# Allegro board AX7021-2019-04-01.brd (continued)
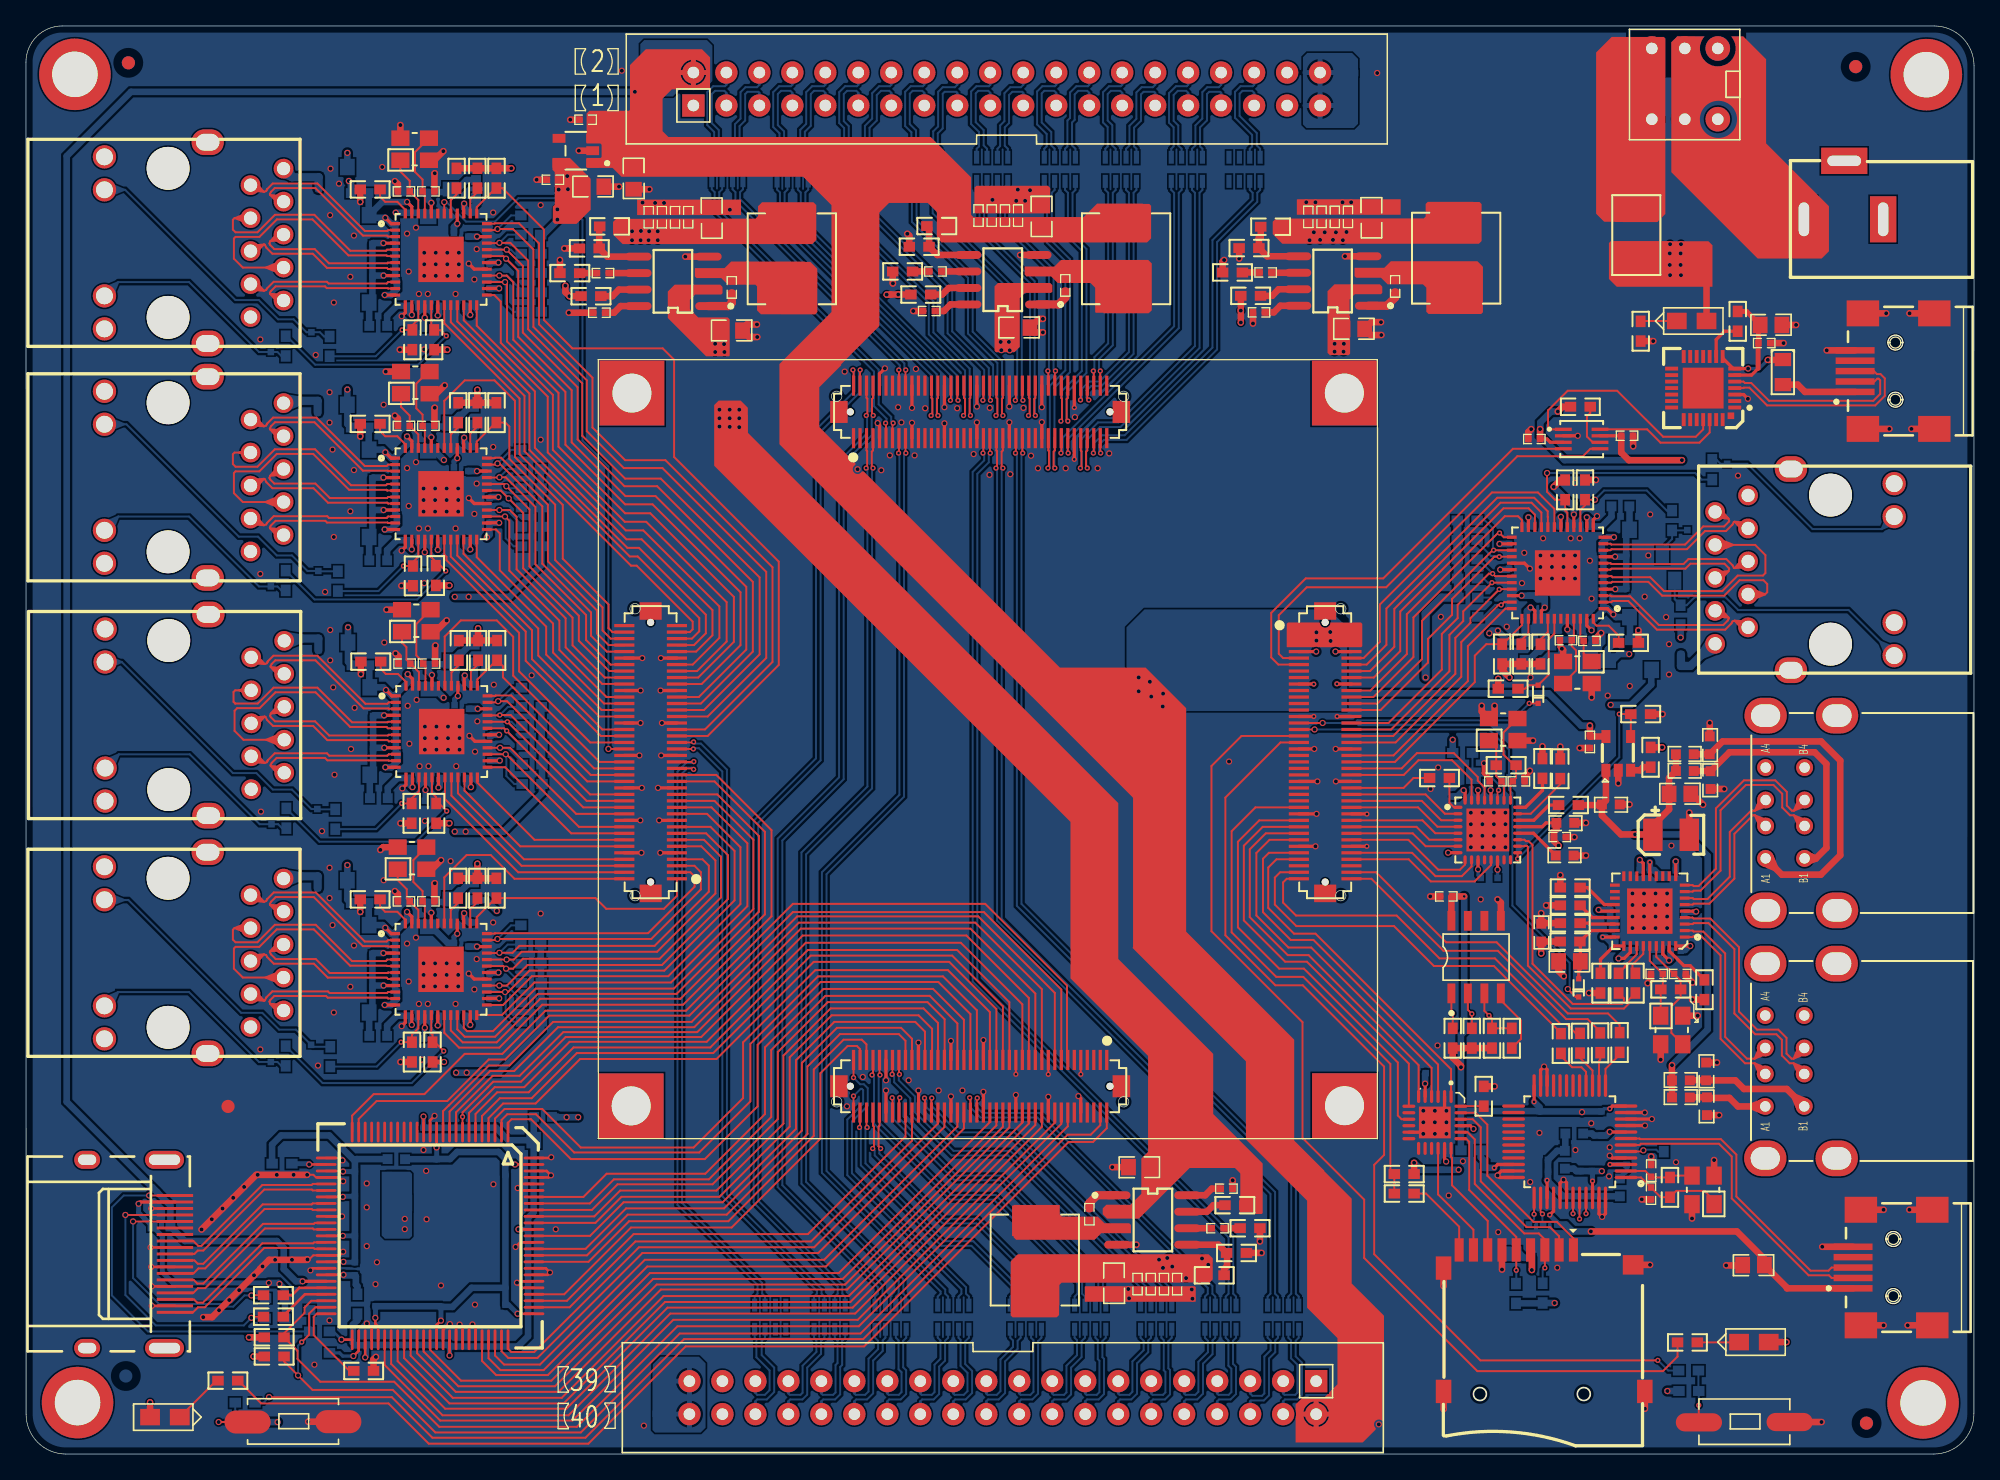
[diagram p0: board, top side]
## Routing (per net, layer and track width the routed paths; a pad name or vN(x,y) marks a point on that pad's centre or on a via; arc(x,y) is an arc through that point) (continued)
OTG_DIR: length 11.9
  TOP w0.152: U7.31 111.32,51.94 109.81,53.44 107.23,53.44 106.1,52.31 CON1.48
OTG_ID: length 4.7
  TOP w0.152: U7.23 115.88,49.32 118.15,51.59 R162.1
OTG_NXT: length 8.8
  TOP w0.152: U7.2 109.27,49.32 107.77,50.81 CON1.54
OTG_RESET: length 38.4
  TOP w0.152: D3.1 119.34,35.21 v1(118.73,35.81) ; CON1.33 v1(99.23,55.81)
  BOTTOM w0.152: v1(118.73,35.81) 118.87,35.95 118.87,37.83 114.46,42.24 114.46,50.9 114.2,51.16 D2.1 114.2,54.27 112.65,55.81 v1(99.23,55.81)
OTG_STP: length 13
  TOP w0.152: CON1.46 105.93,52.81 107.11,53.99 109.95,53.99 111.8,52.15 111.8,51.87 112.32,51.35 U7.29
PHY1_125M_CLK: length 2.2
  TOP w0.152: U6.41 117.19,63.31 116.62,62.74 R29.1
PHY1_AD0/LED1: length 18.2
  TOP w0.152: v1(117.13,75.56) 117.13,74.12 117.74,73.51 R27.1 118.52,72.67 118.69,72.5 U6.17
  BOTTOM w0.152: v1(117.13,75.56) 128.53,75.56 129.04,75.06 R21.1
PHY1_AD1/LED2: length 9.9
  TOP w0.152: v1(120.81,73.51) R35.2 120.05,73.08 119.69,72.72 U6.15
  BOTTOM w0.152: v1(120.81,73.51) 121.52,74.22 124.8,74.22 126.35,72.67 R22.1
PHY1_AVDDH: length 15.1
  TOP w0.254: v1(120.56,63.45) 120.19,63.81 U6.47 ; U6.1 121.78,65.12 v1(122.23,64.67) ; U6.12 v1(122.28,70.62)
  BOTTOM w0.508: C32.1 121.47,69.47 C33.1 121.35,70.15 121.81,70.62 v1(122.28,70.62) ; C32.1 121.75,65.15 v1(122.23,64.67) 122.44,64.47 C31.1 123.52,64.43 L4.2 ; C32.1 121.47,65 120.56,64.08 v1(120.56,63.45)
PHY1_AVDDL: length 10
  TOP w0.254: U6.9 v1(122.37,69.12) ; U6.4 v1(122.38,66.62)
  BOTTOM w0.508: C45.1 123.13,69.12 v1(122.37,69.12) ; C45.1 123.23,70.94 C43.1 123.48,72.99 L6.2 ; C45.1 C44.1 123.17,66.62 v1(122.38,66.62)
PHY1_AVDDL_PLL: length 6.9
  TOP w0.254: U6.44 v1(118.69,63.52)
  BOTTOM w0.508: v1(118.69,63.52) 118.98,63.23 C41.1 ; C42.1 C41.1 ; C41.1 118.93,62.74 117.48,62.74 C40.1 116.55,61.8 116.37,61.8 115.75,61.18 L5.2
PHY1_MDC: length 18.6
  TOP w0.152: U6.36 113.92,65.12 111.03,62.23 111.03,59.54 105.31,53.81 CON1.42
PHY1_MDI0_N: length 12.1
  TOP w0.152: J4.P3 131.1,64.43 131.12,64.36 131.04,64.19 130.7,63.86 125.74,63.86 123.53,66.07 122.07,66.07 122.02,66.12 U6.3
PHY1_MDI0_P: length 12.5
  TOP w0.152: J4.P2 131.58,64.19 131.41,64.14 131.33,63.98 130.85,63.5 125.59,63.5 123.38,65.71 122.17,65.71 122.08,65.62 U6.2
PHY1_MDI1_N: length 19.1
  TOP w0.152: J4.P7 133.16,70.03 133.94,69.24 133.94,67.86 133.75,67.67 131.82,67.67 130.62,66.47 126.14,66.47 125.07,67.54 122.17,67.54 122.09,67.62 U6.6
PHY1_MDI1_P: length 15.9
  TOP w0.152: J4.P4 133.92,66.22 134.08,66.38 134.08,67.02 133.79,67.31 131.96,67.31 130.77,66.12 125.99,66.12 124.93,67.18 122.15,67.18 122.09,67.12 U6.5
PHY1_MDI2_N: length 11.8
  TOP w0.152: U6.8 122.02,68.62 122.08,68.55 127.64,68.55 128.02,68.94 130.94,68.94 131.41,68.46 131.51,68.26 131.58,68.24 J4.P6
PHY1_MDI2_P: length 11.4
  TOP w0.152: U6.7 122.02,68.12 122.1,68.2 127.79,68.2 128.17,68.58 130.79,68.58 131.12,68.25 131.16,68.17 131.1,68 J4.P5
PHY1_MDI3_N: length 11.8
  TOP w0.152: J4.P9 131.1,72.05 131.16,71.88 131.12,71.81 130.76,71.45 129.15,71.45 127.76,70.05 122.08,70.05 122.02,70.12 U6.11
PHY1_MDI3_P: length 12.2
  TOP w0.152: U6.10 122.02,69.62 122.1,69.7 127.91,69.7 129.3,71.09 130.91,71.09 131.41,71.6 131.51,71.79 131.58,71.81 J4.P8
PHY1_MDIO: length 19.2
  TOP w0.152: U6.37 115.19,63.85 113.73,62.38 R24.1 112.46,62.38 111.57,61.49 111.57,59.46 105.42,53.31 CON1.44
PHY1_RESET: length 19.1
  TOP w0.152: D1.1 v2(115.76,57.82) ; CON1.31 v1(99.85,56.31)
  BOTTOM w0.152: v2(115.76,57.82) 114.45,56.52 102.52,56.52 102.32,56.31 v1(99.85,56.31)
PHY1_RXCK: length 20.6
  TOP w0.152: U6.35 113.84,65.62 113.62,65.41 v2(113.6,65.41) 113.39,65.41 110.53,62.54 110.53,59.87 105.47,54.81 CON1.38
  BOTTOM w0.152: v2(113.6,65.41) 113.14,65.41 112.22,64.49 R34.2
PHY1_RXCTL: length 20.8
  TOP w0.152: U6.33 113.52,66.62 113.5,66.6 v2(113.45,66.6) 111.24,64.39 111.24,64.03 110.07,62.86 110.07,60.1 105.28,55.31 CON1.36
  BOTTOM w0.152: R28.1 112.81,65.97 v2(113.45,66.6)
PHY1_RXD0: length 20.4
  TOP w0.152: CON1.34 105.12,55.81 109.61,60.3 109.61,63.09 110.68,64.16 110.68,64.91 v2(112.89,67.12) U6.32
  BOTTOM w0.152: R33.1 112.25,67.44 112.57,67.12 v2(112.89,67.12)
PHY1_RXD1: length 21
  TOP w0.152: CON1.32 104.92,56.31 109.03,60.42 109.03,63.17 110.25,64.39 110.25,65.41 112.66,67.82 v2(112.94,67.82) 113.14,67.62 U6.31
  BOTTOM w0.152: R32.1 111.84,68.91 v2(112.94,67.82)
PHY1_RXD2: length 21.4
  TOP w0.152: U6.28 v2(113.45,69.12) 113.07,69.12 109.81,65.86 109.81,64.64 107.96,62.79 107.96,60.96 104.31,57.31 CON1.28
  BOTTOM w0.152: R31.1 111.74,70.26 112.84,69.16 113.41,69.16 v2(113.45,69.12)
PHY1_RXD3: length 22.1
  TOP w0.152: CON1.26 104.07,57.81 107.5,61.24 107.5,64.19 112.94,69.62 v2(113.01,69.62) U6.27
  BOTTOM w0.152: R30.1 112.35,71.91 112.96,71.3 112.96,69.67 v2(113.01,69.62)
PHY1_TXCK: length 21.2
  TOP w0.152: U6.24 115.19,71.94 114.89,72.24 113.88,72.24 106.33,64.69 106.33,61.62 103.53,58.81 CON1.22
PHY1_TXCTL: length 19.5
  TOP w0.152: U6.25 113.79,70.62 v2(113.47,70.94) 113.34,70.94 106.84,64.44 106.84,61.39 103.76,58.31 CON1.24
PHY1_TXD0: length 24.5
  TOP w0.152: CON1.12 103,61.31 104.25,62.56 104.25,65.43 112.89,74.07 116.43,74.07 116.75,73.74 117.69,72.8 U6.19
PHY1_TXD1: length 23.7
  TOP w0.152: U6.20 117.19,72.17 117.18,72.19 117.18,72.62 116.14,73.66 113.29,73.66 104.76,65.13 104.76,62.33 103.24,60.81 CON1.14
PHY1_TXD2: length 23.1
  TOP w0.152: CON1.16 103.5,60.31 105.37,62.18 105.37,65.1 113.55,73.28 115.94,73.28 116.69,72.52 U6.21
PHY1_TXD3: length 22.5
  TOP w0.152: CON1.18 103.79,59.81 105.83,61.85 105.83,64.9 113.78,72.85 115.71,72.85 116.19,72.36 U6.22
PHY2_125M_CLK: length 2.2
  TOP w0.152: U10.41 32.71,41.9 33.28,42.47 R62.1
PHY2_AD0/LED1: length 17.6
  TOP w0.152: v2(32.17,31.04) 31.48,31.72 R60.1 31.31,32.29 31.21,32.38 U10.17
  BOTTOM w0.152: v2(32.17,31.04) 29.7,28.57 22.84,28.57 R55.1
PHY2_AD1/LED2: length 9.4
  TOP w0.152: U10.15 30.21,32.79 29.72,32.31 R68.2 v2(28.89,31.72)
  BOTTOM w0.152: v2(28.89,31.72) 27.01,29.84 R56.1
PHY2_AVDDH: length 15.1
  TOP w0.254: U10.12 v1(27.63,34.59) ; v1(29.35,41.76) 29.71,41.39 U10.47 ; v1(27.67,40.54) 28.12,40.09 U10.1
  BOTTOM w0.508: v1(27.63,34.59) 28.09,34.59 28.56,35.05 C89.1 28.43,35.74 C88.1 ; v1(29.35,41.76) 29.35,41.12 28.43,40.21 C88.1 ; L10.2 26.39,40.78 C87.1 27.47,40.74 v1(27.67,40.54) 28.15,40.06 C88.1
PHY2_AVDDL: length 10
  TOP w0.254: U10.9 v1(27.54,36.09) ; U10.4 v1(27.52,38.59)
  BOTTOM w0.508: v1(27.52,38.59) 26.74,38.59 C100.1 C101.1 ; C101.1 26.68,34.26 C99.1 26.43,32.22 L12.2 ; C101.1 26.78,36.09 v1(27.54,36.09)
PHY2_AVDDL_PLL: length 6.9
  TOP w0.254: U10.44 v1(31.21,41.69)
  BOTTOM w0.508: v1(31.21,41.69) 30.92,41.98 C97.1 ; C97.1 32.47,42.52 C96.1 33.36,43.41 33.54,43.41 34.16,44.03 L11.2 ; C97.1 C98.1
PHY2_MDC: length 19.8
  TOP w0.152: U10.36 36.09,40.09 36.12,40.12 47.91,40.12 51.49,43.7 51.49,44.49 51.16,44.81 CON3.3
PHY2_MDI0_N: length 12.7
  TOP w0.152: U10.3 27.89,39.09 27.85,39.12 25.94,39.12 22.16,42.9 19.23,42.9 18.87,42.54 18.78,42.37 18.8,42.3 J10.P3
PHY2_MDI0_P: length 13.2
  TOP w0.152: U10.2 27.89,39.59 27.78,39.48 26.09,39.48 22.31,43.26 19.08,43.26 18.57,42.75 18.55,42.71 18.55,42.71 18.5,42.59 18.33,42.54 J10.P2
PHY2_MDI1_N: length 19.9
  TOP w0.152: J10.P7 16.7,36.7 16.01,37.39 16.01,38.94 16.14,39.07 17.97,39.07 19.31,40.41 22.16,40.41 24.96,37.62 27.79,37.62 27.82,37.59 U10.6
PHY2_MDI1_P: length 16.5
  TOP w0.152: U10.5 27.82,38.09 27.7,37.97 25.11,37.97 22.31,40.77 19.17,40.77 17.82,39.42 16.14,39.42 15.93,39.63 15.93,40.39 16.06,40.51 J10.P4
PHY2_MDI2_N: length 12.1
  TOP w0.152: U10.8 27.89,36.59 27.78,36.7 23.24,36.7 22.17,37.77 19.08,37.77 18.57,38.28 18.5,38.43 18.33,38.49 J10.P6
PHY2_MDI2_P: length 11.6
  TOP w0.152: U10.7 27.89,37.09 27.85,37.05 23.39,37.05 22.32,38.13 19.23,38.13 18.87,38.49 18.78,38.66 18.8,38.73 J10.P5
PHY2_MDI3_N: length 11.3
  TOP w0.152: J10.P9 18.8,34.68 18.75,34.85 18.8,34.96 19.12,35.28 23.11,35.28 23.24,35.15 27.82,35.15 27.89,35.09 U10.11
PHY2_MDI3_P: length 11.7
  TOP w0.152: J10.P8 18.33,34.92 18.39,34.94 18.51,35.17 18.97,35.64 23.26,35.64 23.38,35.51 27.81,35.51 27.89,35.59 U10.10
PHY2_MDIO: length 18.6
  TOP w0.152: CON3.1 50.13,43 49.12,42 44.68,42 43.85,42.82 R58.1 36.18,42.82 34.71,41.36 U10.37
PHY2_RESET: length 18.9
  TOP w0.152: U10.42 32.21,44.42 33.93,46.14 35.79,46.14 37.62,44.31 CON3.2
PHY2_RXCK: length 23.7
  TOP w0.152: CON3.5 51.48,45.31 51.97,44.82 51.97,43.49 48.15,39.67 v1(36.31,39.67) 36.22,39.59 U10.35
  BOTTOM w0.152: v1(36.31,39.67) 37.35,40.72 R67.2
PHY2_RXCTL: length 25.6
  TOP w0.152: U10.33 36.39,38.59 36.41,38.61 v1(36.46,38.61) 37.47,38.61 38,39.14 48.41,39.14 52.58,43.32 52.58,45.32 52.09,45.81 CON3.7
  BOTTOM w0.152: R61.1 37.09,39.24 v1(36.46,38.61)
PHY2_RXD0: length 26.9
  TOP w0.152: CON3.11 52,46.81 53.09,45.72 53.09,43.18 48.59,38.68 38.16,38.68 37.57,38.09 v1(37.02,38.09) U10.32
  BOTTOM w0.152: v1(37.02,38.09) 37.33,38.09 37.66,37.77 R66.1
PHY2_RXD1: length 29.1
  TOP w0.152: U10.31 36.77,37.59 v1(36.97,37.39) 37.51,37.39 38.27,38.15 48.8,38.15 53.52,42.87 53.52,46 52.21,47.31 CON3.13
  BOTTOM w0.152: R65.1 38.06,36.29 v1(36.97,37.39)
PHY2_RXD2: length 31.7
  TOP w0.152: U10.28 v1(36.45,36.09) 37.04,36.09 38.62,37.67 48.98,37.67 54.06,42.75 54.06,46.13 52.37,47.81 CON3.15
  BOTTOM w0.152: R64.1 38.16,34.95 37.07,36.04 36.5,36.04 v1(36.45,36.09)
PHY2_RXD3: length 34.2
  TOP w0.152: U10.27 v1(36.89,35.59) 37.13,35.59 38.78,37.24 49.15,37.24 54.56,42.65 54.56,46.46 52.71,48.31 CON3.17
  BOTTOM w0.152: R63.1 37.55,33.3 36.94,33.91 36.94,35.54 v1(36.89,35.59)
PHY2_TXCK: length 35.7
  TOP w0.152: CON3.23 52.79,49.81 55.55,47.05 55.55,42.2 49.67,36.32 39.16,36.32 36.65,33.82 34.72,33.82 U10.24
PHY2_TXCTL: length 33.1
  TOP w0.152: CON3.21 52.45,49.31 55.02,46.74 55.02,42.36 49.46,36.8 38.95,36.8 36.74,34.59 U10.25
PHY2_TXD0: length 46.9
  TOP w0.152: U10.19 32.21,32.44 33.35,31.3 36.45,31.3 39.75,34.61 50.6,34.61 57.41,41.42 57.41,48.06 53.16,52.31 CON3.33
PHY2_TXD1: length 44.6
  TOP w0.152: CON3.31 53.02,51.81 56.9,47.93 56.9,41.57 50.39,35.06 39.6,35.06 36.25,31.71 33.63,31.71 32.71,32.63 U10.20
PHY2_TXD2: length 42
  TOP w0.152: CON3.27 53.23,50.81 56.44,47.6 56.44,41.78 50.1,35.44 39.42,35.44 36.12,32.14 33.78,32.14 33.21,32.71 U10.21
PHY2_TXD3: length 39.8
  TOP w0.152: CON3.25 53.02,50.31 56.01,47.32 56.01,41.98 49.89,35.85 39.24,35.85 35.97,32.57 33.96,32.57 33.71,32.82 U10.22
PHY3_125M_CLK: length 2.2
  TOP w0.152: U11.41 32.76,60.21 33.33,60.78 R76.1
PHY3_AD0/LED1: length 17.6
  TOP w0.152: v2(32.39,49.53) 31.81,50.11 R74.1 31.59,50.6 31.26,50.92 U11.17
  BOTTOM w0.152: R69.1 20.05,49.71 22.59,47.17 30.03,47.17 v2(32.39,49.53)
PHY3_AD1/LED2: length 8.9
  TOP w0.152: v2(28.94,50.11) R82.2 29.7,50.49 30.26,51.05 U11.15
  BOTTOM w0.152: v2(28.94,50.11) 26.96,48.13 R70.1
PHY3_AVDDH: length 15.1
  TOP w0.254: U11.1 28.17,58.4 v1(27.72,58.85) ; v1(29.4,60.07) 29.76,59.71 U11.47 ; U11.12 v1(27.68,52.9)
  BOTTOM w0.508: L13.2 26.44,59.09 C113.1 27.52,59.06 v1(27.72,58.85) 28.2,58.37 C115.1 ; C115.1 28.48,54.05 C114.1 28.61,53.37 28.15,52.9 v1(27.68,52.9) ; C115.1 28.48,58.52 29.4,59.44 v1(29.4,60.07)
PHY3_AVDDL: length 10
  TOP w0.254: U11.4 v1(27.57,56.9) ; U11.9 v1(27.59,54.4)
  BOTTOM w0.508: v1(27.57,56.9) 26.79,56.9 C126.1 C127.1 ; C127.1 26.73,52.58 C125.1 26.48,50.53 L15.2 ; C127.1 26.83,54.4 v1(27.59,54.4)
PHY3_AVDDL_PLL: length 6.9
  TOP w0.254: U11.44 v1(31.26,60)
  BOTTOM w0.508: C124.1 C123.1 ; C123.1 30.97,60.29 v1(31.26,60) ; C123.1 32.52,60.83 C122.1 33.41,61.72 33.59,61.72 34.21,62.34 L14.2
PHY3_MDC: length 13.1
  TOP w0.152: U11.36 36.14,58.4 36.17,58.43 37.36,58.43 43.49,52.31 CON3.34
PHY3_MDI0_N: length 12.7
  TOP w0.152: J11.P3 18.85,60.61 18.83,60.68 18.92,60.85 19.2,61.14 22.29,61.14 25.99,57.43 27.9,57.43 27.94,57.4 U11.3
PHY3_MDI0_P: length 13.1
  TOP w0.152: J11.P2 18.38,60.85 18.55,60.91 18.6,61.02 18.62,61.06 19.06,61.49 22.44,61.49 26.14,57.79 27.83,57.79 27.94,57.9 U11.2
PHY3_MDI1_N: length 19.8
  TOP w0.152: J11.P7 19.89,55.02 16.75,55.02 16.06,55.7 16.06,57.25 16.27,57.45 17.99,57.45 19.21,58.67 22.3,58.67 24.96,56.01 27.76,56.01 27.87,55.9 U11.6
PHY3_MDI1_P: length 16.4
  TOP w0.152: J11.P4 16.42,58.83 16.11,58.83 15.98,58.7 15.98,57.94 16.12,57.81 16.12,57.81 17.85,57.81 19.06,59.03 22.44,59.03 25.11,56.36 27.83,56.36 27.87,56.4 U11.5
PHY3_MDI2_N: length 12.1
  TOP w0.152: U11.8 27.94,54.9 27.85,54.99 23.21,54.99 22.11,56.08 19.02,56.08 18.56,56.55 18.44,56.78 18.38,56.8 J11.P6
PHY3_MDI2_P: length 11.7
  TOP w0.152: U11.7 27.94,55.4 27.88,55.35 23.35,55.35 22.26,56.44 19.17,56.44 18.85,56.76 18.8,56.87 18.85,57.04 J11.P5
PHY3_MDI3_N: length 11.2
  TOP w0.152: U11.11 27.94,53.4 27.9,53.43 23.21,53.43 23.03,53.62 19.3,53.62 18.92,53.23 18.83,53.06 18.85,52.99 J11.P9
PHY3_MDI3_P: length 11.7
  TOP w0.152: U11.10 27.94,53.9 27.83,53.79 23.36,53.79 23.17,53.98 19.16,53.98 18.62,53.44 18.55,53.29 18.38,53.23 J11.P8
PHY3_MDIO: length 16.4
  TOP w0.152: CON3.36 43.75,52.81 36.73,59.83 36.73,60.69 R72.1 36.23,61.14 34.76,59.67 U11.37
PHY3_RESET: length 24.4
  TOP w0.152: CON3.38 44.16,53.31 37.52,59.96 37.52,62.95 36.26,64.21 33.49,64.21 32.24,62.97 32.24,59.2 U11.42
PHY3_RXCK: length 15.4
  TOP w0.152: CON3.32 43.22,51.81 37.05,57.99 v1(36.36,57.99) 36.27,57.9 U11.35
  BOTTOM w0.152: v1(36.36,57.99) 37.4,59.03 R81.2
PHY3_RXCTL: length 15
  TOP w0.152: CON3.28 43.44,50.81 37.33,56.92 v2(36.48,56.92) 36.46,56.92 36.44,56.9 U11.33
  BOTTOM w0.152: v2(36.48,56.92) 37.12,57.55 R75.1
PHY3_RXD0: length 14.3
  TOP w0.152: U11.32 v2(37.07,56.4) 37.08,56.4 43.17,50.31 CON3.26
  BOTTOM w0.152: v2(37.07,56.4) 37.39,56.4 37.71,56.08 R80.1
PHY3_RXD1: length 14.7
  TOP w0.152: CON3.24 42.91,49.81 v2(37.02,55.7) 36.82,55.9 U11.31
  BOTTOM w0.152: v2(37.02,55.7) 38.11,54.61 R79.1
PHY3_RXD2: length 15
  TOP w0.152: U11.28 v1(36.5,54.4) 37.28,54.4 42.37,49.31 CON3.22
  BOTTOM w0.152: R78.1 38.21,53.26 37.12,54.36 36.55,54.36 v1(36.5,54.4)
PHY3_RXD3: length 16
  TOP w0.152: CON3.18 42.58,48.31 36.99,53.9 v1(36.94,53.9) U11.27
  BOTTOM w0.152: v1(36.94,53.9) 36.99,53.85 36.99,52.22 37.61,51.61 R77.1
PHY3_TXCK: length 13.6
  TOP w0.152: U11.24 34.76,51.71 39.16,47.31 CON3.14
PHY3_TXCTL: length 12.6
  TOP w0.152: U11.25 36.9,52.9 41.99,47.81 CON3.16
PHY3_TXD0: length 17.8
  TOP w0.152: U11.19 32.26,50.45 37.9,44.81 CON3.4
PHY3_TXD1: length 17
  TOP w0.152: U11.20 32.76,50.71 38.16,45.31 CON3.6
PHY3_TXD2: length 16.1
  TOP w0.152: U11.21 33.26,50.9 38.35,45.81 CON3.8
PHY3_TXD3: length 15.1
  TOP w0.152: CON3.12 38.06,46.81 33.77,51.1 33.77,52.12 U11.22
PHY4_125M_CLK: length 2.2
  TOP w0.152: R90.1 33.28,79.09 32.71,78.52 U12.41
PHY4_AD0/LED1: length 17.2
  TOP w0.152: v2(32.32,68.02) 31.91,68.43 R88.1 31.56,68.73 31.21,69.08 U12.17
  BOTTOM w0.152: R83.1 22.22,65.82 30.13,65.82 31.18,66.87 31.18,66.88 v2(32.32,68.02)
PHY4_AD1/LED2: length 8.8
  TOP w0.152: U12.15 30.21,69.11 29.8,68.7 R96.2 v2(29.07,68.4)
  BOTTOM w0.152: R84.1 27.14,66.47 v2(29.07,68.4)
PHY4_AVDDH: length 15.1
  TOP w0.254: U12.12 v1(27.63,71.21) ; U12.47 29.71,78.02 v1(29.35,78.38) ; v1(27.67,77.17) 28.12,76.71 U12.1
  BOTTOM w0.508: C140.1 28.15,76.68 v1(27.67,77.17) 27.47,77.37 C139.1 26.39,77.41 L16.2 ; C140.1 28.43,76.83 29.35,77.75 v1(29.35,78.38) ; C140.1 28.43,72.36 C141.1 28.56,71.68 28.09,71.21 v1(27.63,71.21)
PHY4_AVDDL: length 10
  TOP w0.254: U12.4 v1(27.52,75.21) ; U12.9 v1(27.54,72.71)
  BOTTOM w0.508: v1(27.54,72.71) 26.78,72.71 C153.1 ; v1(27.52,75.21) 26.74,75.21 C152.1 C153.1 ; C153.1 26.68,70.89 C151.1 26.43,68.85 L18.2
PHY4_AVDDL_PLL: length 6.9
  TOP w0.254: U12.44 v1(31.21,78.32)
  BOTTOM w0.508: C149.1 30.92,78.61 v1(31.21,78.32) ; C149.1 C150.1 ; C149.1 32.47,79.15 C148.1 33.36,80.04 33.54,80.04 34.16,80.66 L17.2
PHY4_MDC: length 20.2
  TOP w0.152: CON3.74 44.87,62.31 43.97,63.21 43.97,64.98 40.19,68.76 40.19,73.13 36.57,76.75 36.12,76.75 36.09,76.71 U12.36
PHY4_MDI0_N: length 12.7
  TOP w0.152: U12.3 27.89,75.71 27.85,75.75 25.94,75.75 22.21,79.48 19.18,79.48 18.87,79.16 18.78,78.99 18.8,78.93 J12.P3
PHY4_MDI0_P: length 13.1
  TOP w0.152: J12.P2 18.33,79.16 18.5,79.22 18.55,79.33 18.57,79.38 19.03,79.83 22.36,79.83 26.09,76.1 27.78,76.1 27.89,76.21 U12.2
PHY4_MDI1_N: length 19.9
  TOP w0.152: J12.P7 16.7,73.33 16.01,74.02 16.01,75.56 16.14,75.69 17.97,75.69 19.31,77.04 22.11,77.04 24.88,74.27 27.76,74.27 27.82,74.21 U12.6
PHY4_MDI1_P: length 16.5
  TOP w0.152: J12.P4 16.42,77.14 16.06,77.14 15.93,77.01 15.93,76.25 16.14,76.05 17.82,76.05 19.17,77.39 22.26,77.39 25.03,74.63 27.73,74.63 27.82,74.71 U12.5
PHY4_MDI2_N: length 12.1
  TOP w0.152: U12.8 27.89,73.21 27.82,73.28 23.26,73.28 22.14,74.4 18.97,74.4 18.51,74.86 18.39,75.09 18.33,75.12 J12.P6
PHY4_MDI2_P: length 11.7
  TOP w0.152: J12.P5 18.8,75.35 18.75,75.18 18.8,75.07 19.12,74.75 22.29,74.75 23.4,73.63 27.81,73.63 27.89,73.71 U12.7
PHY4_MDI3_N: length 11.2
  TOP w0.152: J12.P9 18.8,71.31 18.78,71.37 18.85,71.5 19.22,71.88 23.05,71.88 23.19,71.75 27.85,71.75 27.89,71.71 U12.11
PHY4_MDI3_P: length 11.7
  TOP w0.152: U12.10 27.89,72.21 27.78,72.1 23.33,72.1 23.2,72.24 19.08,72.24 18.55,71.71 18.5,71.6 18.33,71.54 J12.P8
PHY4_MDIO: length 24.4
  TOP w0.152: CON3.76 45.03,62.81 44.4,63.44 44.4,65.21 40.75,68.86 40.75,73.13 37.22,76.66 37.22,79.15 36.92,79.45 R86.1 36.18,79.45 34.71,77.98 U12.37
PHY4_RESET: length 32.2
  TOP w0.152: U12.42 32.21,81.12 33.79,82.7 36.08,82.7 37.65,81.13 37.65,76.79 41.34,73.11 41.34,68.96 44.86,65.44 44.86,63.61 45.16,63.31 CON3.78
PHY4_RXCK: length 22.5
  TOP w0.152: U12.35 36.22,76.21 v1(36.31,76.3) 36.46,76.3 39.76,73 39.76,68.58 43.51,64.83 43.51,63.03 44.73,61.81 CON3.72
  BOTTOM w0.152: v1(36.31,76.3) 37.35,77.35 R95.2
PHY4_RXCTL: length 22.2
  TOP w0.152: CON3.68 45.02,60.81 43.13,62.7 43.13,64.63 39.23,68.53 39.23,72.95 36.94,75.23 v1(36.46,75.23) 36.41,75.23 36.39,75.21 U12.33
  BOTTOM w0.152: v1(36.46,75.23) 37.09,75.87 R89.1
PHY4_RXD0: length 21.5
  TOP w0.152: CON3.66 46.08,60.31 44.91,60.31 42.57,62.65 42.57,64.58 38.77,68.38 38.77,72.77 v1(36.99,74.55) 36.83,74.71 U12.32
  BOTTOM w0.152: R94.1 37.15,74.39 v1(36.99,74.55)
PHY4_RXD1: length 21.6
  TOP w0.152: U12.31 36.57,74.21 v1(37.17,73.61) 38.29,72.49 38.29,68.22 42.09,64.42 42.09,62.29 44.57,59.81 CON3.64
  BOTTOM w0.152: v1(37.17,73.61) 37.86,72.92 R93.1
PHY4_RXD2: length 22.2
  TOP w0.152: U12.28 v1(36.45,72.71) 36.46,72.72 37.25,72.72 37.78,72.19 37.78,68.15 41.56,64.37 41.56,62.14 44.38,59.32 46.07,59.32 CON3.62
  BOTTOM w0.152: R92.1 38.16,71.58 37.07,72.67 36.5,72.67 v1(36.45,72.71)
PHY4_RXD3: length 23.1
  TOP w0.152: U12.27 v1(36.89,72.21) 37.22,71.88 37.22,68.05 41.07,64.19 41.07,61.94 44.7,58.31 CON3.58
  BOTTOM w0.152: R91.1 37.55,69.92 36.94,70.54 36.94,72.16 v1(36.89,72.21)
PHY4_TXCK: length 18.9
  TOP w0.152: CON3.54 46.07,57.31 44.32,57.31 40.06,61.58 40.06,63.74 34.71,69.08 U12.24
PHY4_TXCTL: length 19.1
  TOP w0.152: CON3.56 44.51,57.81 40.59,61.73 40.59,63.97 36.48,68.07 36.48,70.92 36.19,71.21 U12.25
PHY4_TXD0: length 22.9
  TOP w0.152: CON3.44 43.45,54.81 37.97,60.29 37.97,63.25 32.38,68.85 32.38,69.11 32.21,69.28 U12.19
PHY4_TXD1: length 21.7
  TOP w0.152: U12.20 32.71,69.13 38.48,63.36 38.48,61.1 44.27,55.31 CON3.46
PHY4_TXD2: length 20.9
  TOP w0.152: CON3.48 44.38,55.81 38.96,61.23 38.96,63.46 33.21,69.21 U12.21
PHY4_TXD3: length 19.9
  TOP w0.152: CON3.52 44.14,56.81 39.45,61.51 39.45,63.58 33.69,69.34 33.69,70.42 U12.22
PHY5_125M_CLK: length 2.1
  TOP w0.152: U13.41 32.71,96.58 33.15,97.02 R104.1
PHY5_AD0/LED1: length 17.4
  TOP w0.152: U13.17 31.21,86.81 R102.1 31.46,86.56 31.94,86.56 v2(32.37,86.13)
  BOTTOM w0.152: v2(32.37,86.13) 31.18,84.94 31.18,84.88 30.21,83.91 22.27,83.91 20.08,86.11 R97.1
PHY5_AD1/LED2: length 9.3
  TOP w0.152: v2(28.97,86.59) R110.2 29.75,86.94 30.21,87.4 U13.15
  BOTTOM w0.152: R98.1 26.93,84.56 v2(28.97,86.59)
PHY5_AVDDH: length 16.3
  TOP w0.254: v1(27.67,95.22) 28.12,94.77 U13.1 ; v1(29.35,96.44) 29.71,96.08 U13.47 ; U13.12 v1(27.63,89.27)
  BOTTOM w0.508: v1(29.35,96.44) 27.44,96.44 C165.1 ; v1(27.63,89.27) 28.09,89.27 28.56,89.74 C166.1 28.43,90.42 C167.1 28.15,94.74 v1(27.67,95.22) 26.63,95.22 C165.1 ; L19.2 26.39,95.47 C165.1
PHY5_AVDDL: length 10
  TOP w0.254: U13.4 v1(27.52,93.27) ; U13.9 v1(27.54,90.77)
  BOTTOM w0.508: L21.2 26.43,86.91 C177.1 26.68,88.95 C178.1 ; C178.1 C179.1 26.74,93.27 v1(27.52,93.27) ; C178.1 26.78,90.77 v1(27.54,90.77)
PHY5_AVDDL_PLL: length 6.8
  TOP w0.254: U13.44 v1(31.21,96.38)
  BOTTOM w0.508: L20.2 33.93,98.13 33.23,97.43 C174.1 32.5,97.21 C175.1 ; v1(31.21,96.38) 30.92,96.67 C175.1 ; C175.1 C176.1
PHY5_MDC: length 55.7
  TOP w0.152: U13.36 36.09,94.77 36.12,94.81 37.95,94.81 39.51,93.25 39.51,87.02 43.62,82.91 43.62,79.07 46.14,76.56 49.24,76.56 57.49,68.31 57.49,61.01 52.28,55.81 CON3.47
PHY5_MDI0_N: length 12.7
  TOP w0.152: 19.83,96.47 18.8,96.99 18.78,97.05 18.87,97.22 19.15,97.51 22.29,97.51 25.95,93.85 27.81,93.85 27.89,93.77 U13.3
PHY5_MDI0_P: length 13.1
  TOP w0.152: U13.2 27.89,94.27 27.82,94.21 26.1,94.21 22.44,97.87 19.01,97.87 18.57,97.43 18.55,97.39 18.55,97.39 18.5,97.28 18.33,97.22 17.29,97.74
PHY5_MDI1_N: length 19.9
  TOP w0.152: 19.83,91.39 16.7,91.39 16.01,92.08 16.01,93.62 16.14,93.75 17.97,93.75 19.32,95.1 22.06,95.1 24.83,92.33 27.76,92.33 27.82,92.27 U13.6
PHY5_MDI1_P: length 16.5
  TOP w0.152: U13.5 27.82,92.77 27.73,92.68 24.98,92.68 22.21,95.45 19.17,95.45 17.83,94.11 16.14,94.11 15.93,94.31 15.93,95.07 16.06,95.2 17.29,95.2
PHY5_MDI2_N: length 12.1
  TOP w0.152: 17.29,92.66 18.33,93.18 18.39,93.15 18.51,92.92 18.97,92.46 22.09,92.46 23.18,91.36 27.8,91.36 27.89,91.27 U13.8
PHY5_MDI2_P: length 11.7
  TOP w0.152: 19.83,93.93 18.8,93.41 18.75,93.24 18.8,93.13 19.12,92.81 22.23,92.81 23.33,91.72 27.83,91.72 27.89,91.77 U13.7
PHY5_MDI3_N: length 11.2
  TOP w0.152: U13.11 27.89,89.77 27.85,89.81 23.16,89.81 23.03,89.94 19.22,89.94 18.85,89.56 18.78,89.43 18.8,89.37 J13.P9
PHY5_MDI3_P: length 11.7
  TOP w0.152: U13.10 27.89,90.27 27.78,90.16 23.31,90.16 23.17,90.3 19.08,90.3 18.55,89.77 18.5,89.66 18.33,89.6 J13.P8
PHY5_MDIO: length 62.8
  TOP w0.152: U13.37 34.71,96.04 36.18,97.51 R100.1 36.69,97.51 39.89,94.31 39.89,87.35 42.07,85.17 49.03,85.17 49.91,84.29 49.91,76.8 57.97,68.74 57.97,60.78 52.5,55.31 CON3.45
PHY5_RESET: length 56.4
  TOP w0.152: CON3.42 v1(44.85,54.31) ; U13.42 v1(32.21,96.43)
  BOTTOM w0.152: v1(32.21,96.43) 32.38,96.43 33.88,94.93 36.12,94.93 37.92,96.74 41.17,96.74 42.85,95.06 42.85,78.07 44.85,76.07 v1(44.85,54.31)
PHY5_RXCK: length 55.9
  TOP w0.152: CON3.51 52.5,56.81 57,61.32 57,67.95 49.01,75.95 46.03,75.95 43.19,78.79 43.19,82.7 39.08,86.82 39.08,92.79 37.5,94.36 v1(36.31,94.36) 36.22,94.27 U13.35
  BOTTOM w0.152: v1(36.31,94.36) 37.35,95.41 R109.2
PHY5_RXCTL: length 53.1
  TOP w0.152: U13.33 36.39,93.27 36.41,93.29 v1(36.46,93.29) 37.3,93.29 38.67,91.92 38.67,86.64 42.83,82.47 42.83,78.44 46.14,75.13 48.88,75.13 56.49,67.52 56.49,61.6 52.21,57.31 CON3.53
  BOTTOM w0.152: v1(36.46,93.29) 37.09,93.93 R103.1
PHY5_RXD0: length 50.6
  TOP w0.152: U13.32 v1(37.02,92.77) 37.02,92.76 38.26,91.52 38.26,86.39 42.48,82.17 42.48,78.16 46.09,74.55 48.6,74.55 55.97,67.18 55.97,61.81 51.97,57.81 CON3.55
  BOTTOM w0.152: v1(37.02,92.77) 37.33,92.77 37.66,92.45 R108.1
PHY5_RXD1: length 49.2
  TOP w0.152: U13.31 36.77,92.27 v1(36.97,92.08) 37.91,91.14 37.91,86.06 42.02,81.94 42.02,77.93 46.16,73.79 48.48,73.79 55.47,66.8 55.47,61.96 51.81,58.31 CON3.57
  BOTTOM w0.152: R107.1 38.06,90.98 v1(36.97,92.08)
PHY5_RXD2: length 47.2
  TOP w0.152: U13.28 v1(36.45,90.77) 37.02,90.77 37.53,90.27 37.53,85.83 41.54,81.81 41.54,77.75 46.14,73.15 48.25,73.15 55.02,66.38 55.02,62.31 52.02,59.31 CON3.61
  BOTTOM w0.152: v1(36.45,90.77) 36.5,90.73 37.07,90.73 38.16,89.64 R106.1
PHY5_RXD3: length 46.2
  TOP w0.152: U13.27 v1(36.89,90.27) 37.04,90.12 37.04,85.7 41.01,81.74 41.01,77.6 46.14,72.47 48.07,72.47 54.51,66.02 54.51,62.56 51.76,59.81 CON3.63
  BOTTOM w0.152: v1(36.89,90.27) 36.94,90.22 36.94,88.6 37.55,87.98 R105.1
PHY5_TXCK: length 38.3
  TOP w0.152: CON3.67 51.34,60.81 53.4,62.87 53.4,65.29 47.54,71.15 46.19,71.15 40.18,77.16 40.18,81.45 34.71,86.91 U13.24
PHY5_TXCTL: length 40.4
  TOP w0.152: CON3.65 51.68,60.31 53.95,62.59 53.95,65.62 47.77,71.81 46.11,71.81 40.57,77.34 40.57,81.58 36.56,85.6 36.56,88.77 36.06,89.27 U13.25
PHY5_TXD0: length 34.4
  TOP w0.152: U13.19 32.21,87.1 38.01,81.31 38.01,77.01 46.59,68.43 47.03,68.43 51.34,64.12 51.34,63.53 51.12,63.31 CON3.77
PHY5_TXD1: length 35.4
  TOP w0.152: U13.20 32.71,87.19 38.39,81.51 38.39,77.24 46.49,69.14 47.1,69.14 51.85,64.4 51.85,63.37 51.28,62.81 CON3.75
PHY5_TXD2: length 36.3
  TOP w0.152: U13.21 33.21,87.25 38.77,81.69 38.77,77.34 46.31,69.8 47.21,69.8 52.35,64.65 52.35,63.22 51.44,62.31 CON3.73
PHY5_TXD3: length 37.3
  TOP w0.152: U13.22 33.71,87.33 39.19,81.85 39.19,77.51 46.24,70.46 47.41,70.46 52.86,65.01 52.86,63.07 51.6,61.81 CON3.71
PL_KEY: length 77.5
  TOP w0.152: v1(18.72,4.38) 28.17,4.38 31.29,1.26 43.08,1.26 50.67,8.85 64.47,8.85 80.21,24.6 81.99,24.6 82.73,25.33 CON4.4
  BOTTOM w0.152: v1(18.72,4.38) 18.3,3.96 R129.2
